# Altium PCB PCB1.PcbDoc (part 4 of 4)
Units mm, origin at the board's own origin, x right, y up, seen from the top; angles counter-clockwise.
Board outline 200 x 70 mm, 6 copper layers (Top Layer, Int1 (GND), Int2 (Sign), Int3 (Sign), Int4 (GND), Bottom Layer), stack 1.597 mm thick; 448 components, 297 nets, 1385 pads, 258 vias.
Unrouted connection lines stored in the file: 535.
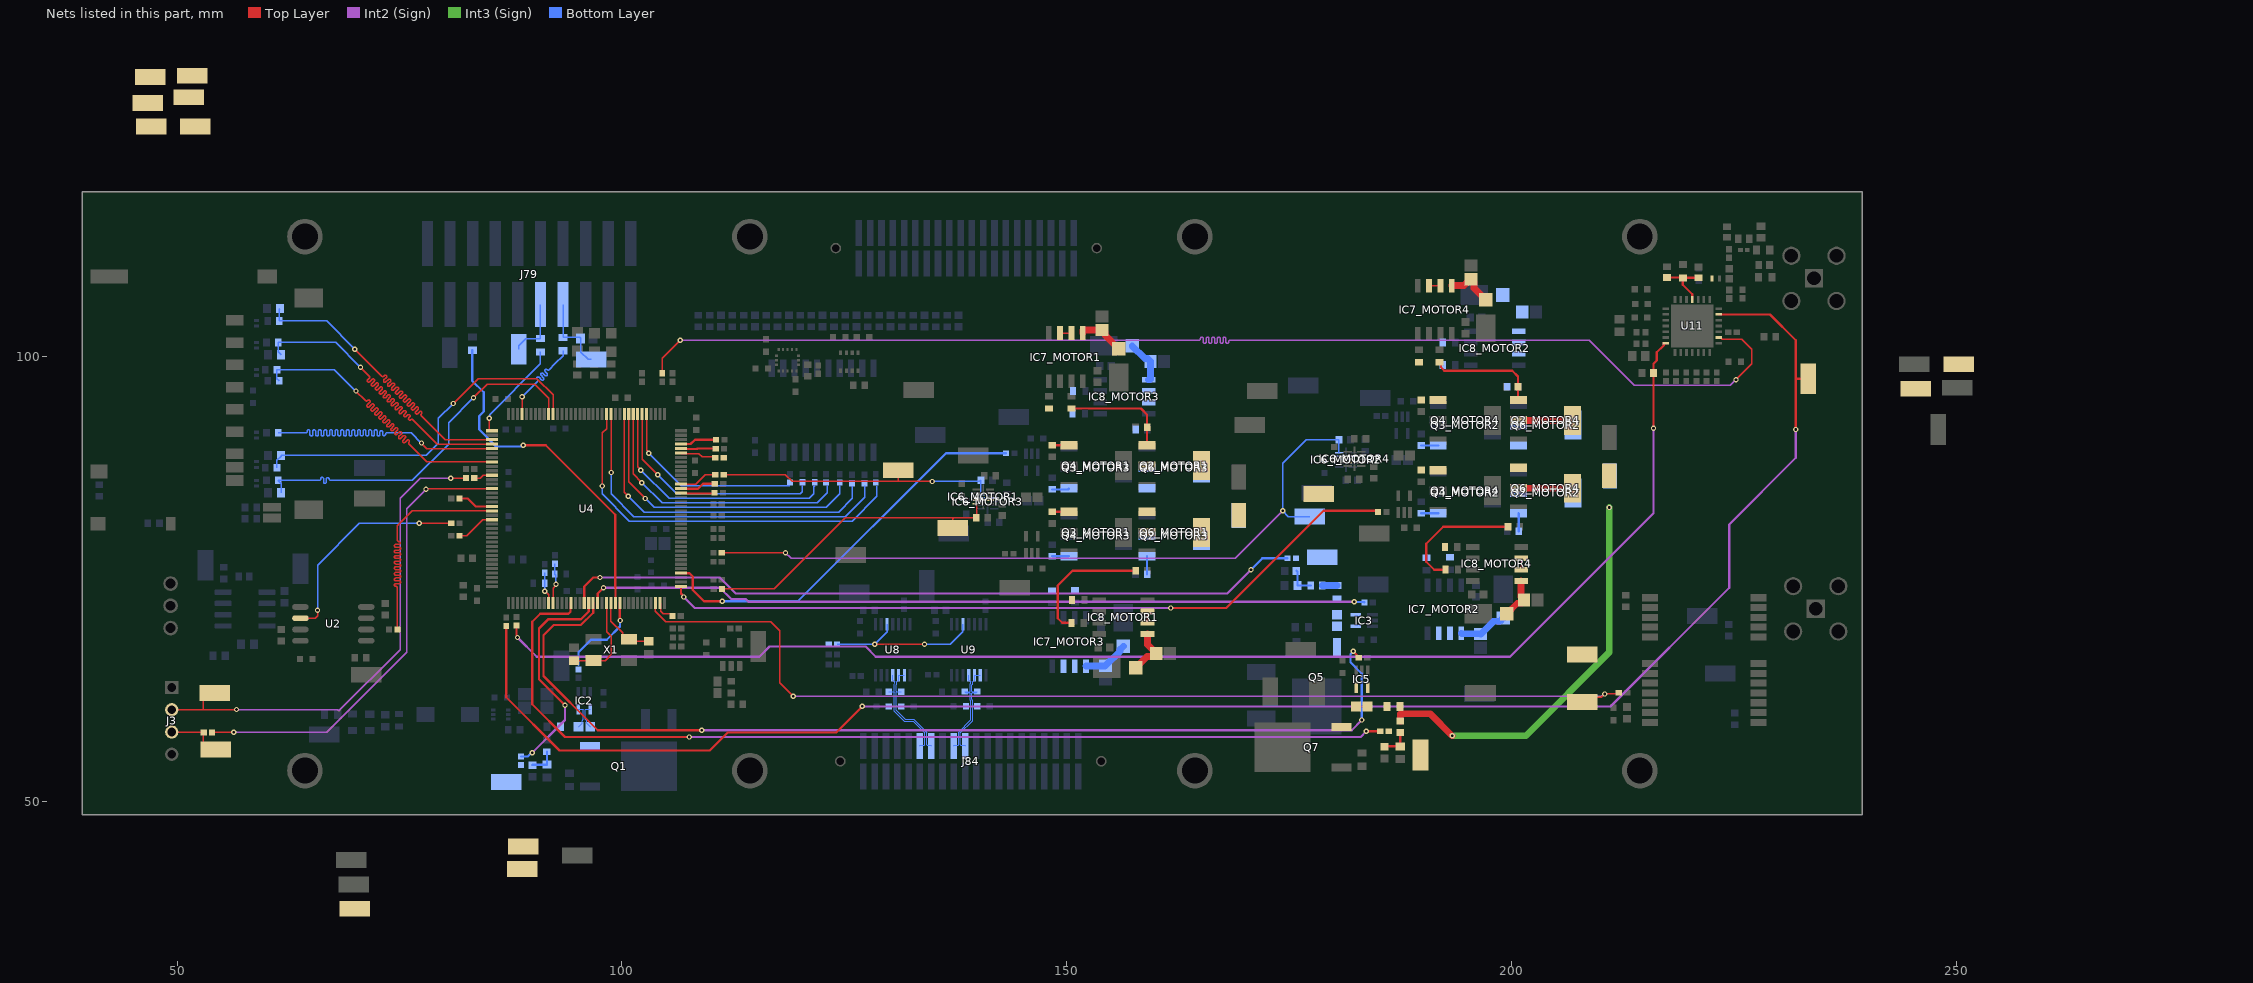
[diagram p8: the nets of this part, all layers, seen from the top]

## Via types
v1: diameter 0.6, hole 0.3, Top Layer to Bottom Layer, 224 vias
v2: diameter 0.4, hole 0.2, Top Layer to Bottom Layer, 18 vias
v3: diameter 0.5, hole 0.2, Top Layer to Bottom Layer, 16 vias

## Nets (pads, with @x,y where several pads share a name; then routed paths per layer and width w, separated by ;. In a path a pad name is that pad's centre, name@x,y a point inside that pad or via, vN(x,y) a via of type N, cw(c..) or ccw(c..) an arc to the next point about the centre after c; other vN are vias at no path point) (continued)
NetR66_1: R66.1 U4.127 | length 31.8
  Top Layer w0.156: R66.1@74.77,69.342 74.77,73.957 74.77,74.035 ccw(c74.613,74.035) 74.613,74.192 74.577,74.192 cw(c74.577,74.35) 74.42,74.35 cw(c74.577,74.35) 74.577,74.507 74.963,74.507 ccw(c74.963,74.664) 75.12,74.664 ccw(c74.963,74.664) 74.963,74.821 74.577,74.821 cw(c74.577,74.978) 74.42,74.978 cw(c74.577,74.978) 74.577,75.136 74.963,75.136 ccw(c74.963,75.293) 75.12,75.293 ccw(c74.963,75.293) 74.963,75.45 74.577,75.45 cw(c74.577,75.607) 74.42,75.607 cw(c74.577,75.607) 74.577,75.764 74.963,75.764 ccw(c74.963,75.921) 75.12,75.921 ccw(c74.963,75.921) 74.963,76.079 74.577,76.079 cw(c74.577,76.236) 74.42,76.236 cw(c74.577,76.236) 74.577,76.393 74.963,76.393 ccw(c74.963,76.55) 75.12,76.55 ccw(c74.963,76.55) 74.963,76.707 74.577,76.707 cw(c74.577,76.864) 74.42,76.864 cw(c74.577,76.864) 74.577,77.022 74.963,77.022 ccw(c74.963,77.179) 75.12,77.179 ccw(c74.963,77.179) 74.963,77.336 74.577,77.336 cw(c74.577,77.493) 74.42,77.493 cw(c74.577,77.493) 74.577,77.65 74.963,77.65 ccw(c74.963,77.808) 75.12,77.808 ccw(c74.963,77.808) 74.963,77.965 74.577,77.965 cw(c74.577,78.122) 74.42,78.122 cw(c74.577,78.122) 74.577,78.279 74.963,78.279 ccw(c74.963,78.436) 75.12,78.436 ccw(c74.963,78.436) 74.963,78.593 74.578,78.593 cw(c74.578,78.751) 74.421,78.751 cw(c74.578,78.751) 74.578,78.908 74.927,78.908 ccw(c74.927,79.065) 75.084,79.065 ccw(c74.927,79.065) 74.927,79.222 cw(c74.927,79.379) 74.77,79.379 74.77,79.675 74.77,80.993 76.458,82.681 U4.127@85.387,82.681
NetR67_1: R67.1 U4.129 | length 4.4
  Top Layer w0.156: R67.1@81.755,79.883 82.55,79.883 84.348,81.681 U4.129@85.387,81.681
NetR68_1: R68.1 U4.126 | length 4
  Top Layer w0.254: R68.1@81.755,84.074 82.677,84.074 83.57,83.181 U4.126@85.387,83.181
NetR69_2: R69.2 U4.60 | length 4.3
  Top Layer w0.156: U4.60@106.637,85.681 108.287,85.681 109.347,86.741 R69.2@110.49,86.741
NetR70_2: R70.2 U4.59 | length 4
  Top Layer w0.254: U4.59@106.637,85.181 106.642,85.176 108.544,85.176 109.093,85.725 R70.2@110.429,85.725
NetR71_1: R71.1 U4.26
NetR72_2: R72.2 U4.58 | length 13.8
  Top Layer w0.254: 99.762,72.306 99.762,70.418 v1(99.822,70.358) ; U4.58@106.637,84.681 106.637,84.622 110.309,84.622 R72.2@110.396,84.709
  Bottom Layer w0.254: 95.123,65.393 95.123,66.802 96.52,68.199 98.298,68.199 99.776,69.677 99.776,70.312 v1(99.822,70.358)
NetR73_1: R73.1 U4.19 | length 25.5
  Top Layer w0.254: v1(93.599,60.833) 90.678,63.754 90.678,69.469 91.694,70.485 95.377,70.485 96.262,71.37 U4.19@96.262,72.306
  Int2 (Sign) w0.254: v1(89.916,55.499) 93.599,59.182 v1(93.599,60.833)
  Bottom Layer w0.254: R73.1@88.646,55.085 89.408,55.085 89.822,55.499 v1(89.916,55.499)
NetR74_1: R74.1 U4.21 | length 88.2
  Top Layer w0.254: U4.21@97.262,72.306 97.262,73.386 v1(97.917,74.041)
  Int2 (Sign) w0.254: v1(97.917,74.041) 110.998,74.041 112.268,72.771 113.919,72.771 114.227,72.463 v1(182.265,72.463)
  Bottom Layer w0.254: v1(182.265,72.463) 182.302,72.427 183.384,72.427 R74.1@183.421,72.39
NetR75_2: R75.2 U4.40 | length 45.6
  Top Layer w0.254: U4.40@106.637,75.681 107.58,75.681 107.95,75.311 107.95,73.787 109.22,72.517 v1(111.252,72.517)
  Bottom Layer w0.254: v1(111.252,72.517) 119.761,72.517 136.398,89.154 R75.2@143.162,89.154
NetR76_1: R76.1 U4.18 | length 83.7
  Top Layer w0.254: U4.18@95.762,72.306 95.762,74.172 96.774,75.184 v1(97.536,75.184)
  Int2 (Sign) w0.254: v1(97.536,75.184) 110.998,75.184 112.776,73.406 168.021,73.406 v1(170.688,76.073)
  Bottom Layer w0.254: v1(170.688,76.073) 171.958,77.343 R76.1@174.785,77.343
NetR77_1: R77.1 U4.20 | length 116.6
  Top Layer w0.254: U4.20@96.762,72.306 96.762,71.235 95.377,69.85 92.329,69.85 91.186,68.707 91.186,64.135 97.282,58.039 v1(108.966,58.039) ; v1(182.151,66.896) 182.563,66.484 182.563,66.365 182.761,66.167 R77.1@182.786,66.167
  Int2 (Sign) w0.254: v1(108.966,58.039) 181.991,58.039 v1(183.134,59.182)
  Bottom Layer w0.254: v1(182.151,66.896) 182.151,66.861 181.864,66.574 181.864,65.659 183.134,64.389 v1(183.134,59.182)
NetR78_1: R78.1 U4.15 | length 112.1
  Top Layer w0.254: U4.15@94.262,72.306 94.214,72.258 94.214,71.354 93.98,71.12 90.805,71.12 89.916,70.231 89.916,60.96 93.599,57.277 v1(107.569,57.277) ; v1(183.642,57.912) R78.1@185.199,57.912
  Int2 (Sign) w0.254: v1(107.569,57.277) 183.007,57.277 v1(183.642,57.912)
NetR79_2: R79.2 U4.67 | length 4.1
  Top Layer w0.156: U4.67@106.637,89.181 106.696,89.122 108.647,89.122 108.996,88.773 110.363,88.773 R79.2@110.49,88.646
NetR80_2: R80.2 U4.68 | length 4
  Top Layer w0.254: U4.68@106.637,89.681 106.637,89.627 108.442,89.627 108.496,89.681 110.504,89.681 R80.2@110.523,89.662
NetR81_2: R81.2 U4.69 | length 4.1
  Top Layer w0.254: U4.69@106.637,90.181 107.707,90.181 108.204,90.678 R81.2@110.556,90.678
NetR82_2: R82.2 U4.37 | length 84.4
  Top Layer w0.254: U4.37@106.637,74.181 106.637,73.382 106.934,73.085 v1(106.934,72.992) ; v1(161.671,71.755) 167.894,71.755 178.816,82.677 184.818,82.677 R82.2@184.945,82.55
  Int2 (Sign) w0.254: v1(106.934,72.992) 108.171,71.755 v1(161.671,71.755)
NetR83_2: R83.2 U4.77 | length 21.9
  Top Layer w0.156: U4.77@102.762,93.556 102.762,89.467 102.997,89.232 v1(102.997,89.154)
  Bottom Layer w0.156: v1(102.997,89.154) 106.656,85.495 118.872,85.495
NetR84_2: R84.2 U4.78 | length 25.5
  Top Layer w0.156: U4.78@102.262,93.556 102.262,88.492 v1(104.013,86.741)
  Bottom Layer w0.156: v1(104.013,86.741) 106.172,84.582 120.015,84.582 120.269,84.836 120.269,85.495
NetR85_2: R85.2 U4.79 | length 28.4
  Top Layer w0.156: U4.79@101.762,93.556 101.762,87.659 102.108,87.313 v1(102.108,87.249)
  Bottom Layer w0.156: v1(102.108,87.249) 105.283,84.074 121.031,84.074 121.539,84.582 121.539,85.368 121.666,85.495
NetR103_2: R103.2 U4.105 | length 11.5
  Top Layer w0.156: U4.105@88.762,93.556 88.768,93.562 88.768,95.499 v1(88.773,95.504)
  Bottom Layer w0.156: v1(88.773,95.504) 90.424,97.155 90.479,97.21 ccw(c90.368,97.321) 90.479,97.433 90.454,97.458 cw(c90.565,97.569) 90.454,97.68 cw(c90.565,97.569) 90.676,97.68 90.949,97.407 ccw(c91.06,97.518) 91.171,97.407 ccw(c91.06,97.518) 91.171,97.63 90.899,97.902 cw(c91.01,98.013) 90.899,98.125 cw(c91.01,98.013) 91.121,98.125 91.357,97.888 ccw(c91.468,98) 91.579,97.888 ccw(c91.468,98) 91.579,98.111 91.368,98.322 cw(c91.48,98.433) 91.368,98.544 cw(c91.48,98.433) 91.591,98.544 ccw(c91.702,98.655) 91.813,98.544 92.456,99.187 93.379,100.11 R103.2@93.379,100.667
NetR104_2: R104.2 U4.109 | length 11.5
  Top Layer w0.156: v1(85.09,93.091) 85.09,91.778 85.187,91.681 U4.109@85.387,91.681
  Bottom Layer w0.156: v1(85.09,93.091) 85.121,93.122 85.121,93.503 90.839,99.221 R104.2@90.839,100.54
NetR105_1: R105.1 U4.25 | length 38.9
  Top Layer w0.254: v1(88.9,90.043) 91.44,90.043 99.253,82.23 99.253,74.356 99.253,74.111 99.262,74.102 U4.25@99.262,72.306
  Bottom Layer w0.254: R105.1@83.185,100.723 83.185,97.282 84.455,96.012 84.455,93.853 83.947,93.345 83.947,91.821 85.852,89.916 v1@88.9,89.916
NetR118_2: R118.2 U4.80 | length 31.1
  Top Layer w0.156: U4.80@101.262,93.556 101.262,86.825 v1(102.235,85.852)
  Bottom Layer w0.156: v1(102.235,85.852) 104.521,83.566 121.92,83.566 123.063,84.709 123.063,85.483
NetR124_2: R124.2 U4.81 | length 34
  Top Layer w0.156: U4.81@100.762,93.556 100.762,85.928 v1(102.616,84.074)
  Bottom Layer w0.156: v1(102.616,84.074) 103.632,83.058 122.936,83.058 124.46,84.582 124.46,85.483
NetR125_2: R125.2 U4.82 | length 37.3
  Top Layer w0.156: U4.82@100.262,93.556 100.262,84.777 v1(100.711,84.328)
  Bottom Layer w0.156: v1(100.711,84.328) 102.489,82.55 124.333,82.55 125.857,84.074 R125.2@125.857,85.471
NetR126_2: R126.2 U4.85 | length 40.7
  Top Layer w0.156: U4.85@98.762,93.556 98.784,93.534 98.784,87.017 v1(98.806,86.995)
  Bottom Layer w0.156: v1(98.806,86.995) 98.806,84.582 101.346,82.042 125.095,82.042 127.254,84.201 R126.2@127.254,85.483
NetR127_2: R127.2 U4.86 | length 43.6
  Top Layer w0.156: v1(97.79,85.471) 97.79,91.44 98.262,91.912 U4.86@98.262,93.556
  Bottom Layer w0.156: v1(97.79,85.471) 97.79,84.582 100.838,81.534 125.857,81.534 128.651,84.328 128.651,85.471
NetR128_2: R128.2 U4.122 | length 52.2
  Top Layer w0.156: R128.2@53.942,57.785 v1(56.388,57.785) ; v1(77.978,85.09) 78.023,85.135 85.341,85.135 U4.122@85.387,85.181
  Int2 (Sign) w0.159: v1(56.388,57.785) 66.802,57.785 75.819,66.802 75.819,82.931 v1(77.978,85.09)
NetR129_2: R129.2 U4.119 | length 2.1
  Top Layer w0.156: R129.2@83.406,86.36 84.074,86.36 84.395,86.681 U4.119@85.387,86.681
NRST_RADIO: J48.1 R32.1 R35.2 U11.7 | length 157.3
  Top Layer w0.254: R35.2@88.138,69.789 88.138,68.674 88.265,68.547 v1(88.265,68.453) ; v1(215.9,91.948) 215.908,91.956 215.908,98.163 R32.1@215.915,98.171 215.915,99.202 216.281,99.568 216.281,100.489 217.049,101.257 217.049,101.482 217.072,101.505 U11.7@217.297,101.505
  Int2 (Sign) w0.254: v1(88.265,68.453) 90.424,66.294 115.443,66.294 116.586,67.437 127.381,67.437 128.524,66.294 199.771,66.294 215.9,82.423 v1(215.9,91.948)
PWM_M1: IC6_MOTOR1.11 J13.1 R56.1 R112_MOTOR1.2 | length 34.7
  Top Layer w0.156: R56.1@111.252,73.914 117.094,73.914 125.095,81.915 137.287,81.915 ; J13.1@137.16,80.772 137.16,81.788 137.287,81.915 ; IC6_MOTOR1.11@139.851,83.49 139.851,81.954 R112_MOTOR1.2@139.812,81.915 137.287,81.915
PWM_M1_CW_MOTOR1: IC6_MOTOR1.10 IC8_MOTOR1.2 IC8_MOTOR1.3 | length 1.3
  Top Layer w0.156: IC8_MOTOR1.2@159.049,70.104 IC8_MOTOR1.3@159.049,71.374
PWM_M1_CW_MOTOR2: IC6_MOTOR2.10 IC8_MOTOR2.2 IC8_MOTOR2.3
PWM_M1_CW_MOTOR3: IC6_MOTOR3.10 IC8_MOTOR3.2 IC8_MOTOR3.3
PWM_M1_CW_MOTOR4: IC6_MOTOR4.10 IC8_MOTOR4.2 IC8_MOTOR4.3 | length 1.3
  Top Layer w0.156: IC8_MOTOR4.2@201.024,76.073 IC8_MOTOR4.3@201.024,77.343
PWM_M1_NCW_MOTOR1: IC6_MOTOR1.2 IC7_MOTOR1.2 IC7_MOTOR1.3 | length 1.3
  Top Layer w0.156: IC7_MOTOR1.3@149.225,102.661 IC7_MOTOR1.2@150.495,102.661
PWM_M1_NCW_MOTOR2: IC6_MOTOR2.2 IC7_MOTOR2.2 IC7_MOTOR2.3
PWM_M1_NCW_MOTOR3: IC6_MOTOR3.2 IC7_MOTOR3.2 IC7_MOTOR3.3
PWM_M1_NCW_MOTOR4: IC6_MOTOR4.2 IC7_MOTOR4.2 IC7_MOTOR4.3 | length 1.3
  Top Layer w0.156: IC7_MOTOR4.3@190.692,107.995 IC7_MOTOR4.2@191.962,107.995
PWM_M2: IC6_MOTOR2.11 J24.1 R61.1 R112_MOTOR2.2 | length 83.1
  Top Layer w0.156: R61.1@111.219,77.978 v1(118.364,77.978)
  Int2 (Sign) w0.159: v1(118.364,77.978) 118.999,77.343 168.91,77.343 v1(174.244,82.677)
  Bottom Layer w0.156: J24.1@177.292,82.042 174.879,82.042 v1(174.244,82.677) 174.244,88.011 176.911,90.678 R112_MOTOR2.2@180.564,90.678 180.564,89.233 180.586,89.211 IC6_MOTOR2.11@180.618,89.211
PWM_M3: IC6_MOTOR3.11 J35.1 R69.1 R112_MOTOR3.2 | length 32.1
  Top Layer w0.156: R69.1@111.44,86.741 118.364,86.741 119.126,85.979 131.064,85.979 ; J35.1@131.064,87.249 131.064,85.979 ; v1(134.874,85.979) 131.064,85.979
  Bottom Layer w0.156: v1(134.874,85.979) 140.208,85.979 R112_MOTOR3.2@140.335,86.106 IC6_MOTOR3.11@140.335,84.512
PWM_M4: J46.1 R79.1
PWM_TR_HL_MOTOR1: Q6_MOTOR1.1 R24_MOTOR1.2 R113_MOTOR1.2 | length 14.8
  Top Layer w0.254: R113_MOTOR1.2@150.495,70.104 149.479,70.104 148.971,70.612 148.971,74.295 150.622,75.946 R24_MOTOR1.2@157.719,75.946
PWM_TR_HL_MOTOR2: Q6_MOTOR2.1 R24_MOTOR2.2 R113_MOTOR2.2
PWM_TR_HL_MOTOR3: Q6_MOTOR3.1 R24_MOTOR3.2 R113_MOTOR3.2
PWM_TR_HL_MOTOR4: Q6_MOTOR4.1 R24_MOTOR4.2 R113_MOTOR4.2 | length 14.5
  Top Layer w0.254: R113_MOTOR4.2@192.532,76.073 191.262,76.073 190.373,76.962 190.373,78.994 192.278,80.899 R24_MOTOR4.2@199.567,80.899
PWM_TR_HR_MOTOR1: Q2_MOTOR1.1 R25_MOTOR1.2 R109_MOTOR1.2 | length 12.2
  Top Layer w0.254: R109_MOTOR1.2@150.495,94.169 158.307,94.169 159.004,93.472 R25_MOTOR1.2@159.004,92.075 159.004,90.059 Q2_MOTOR1.1@159.002,90.057
PWM_TR_HR_MOTOR2: Q2_MOTOR2.1 R25_MOTOR2.2 R109_MOTOR2.2 | length 2
  Bottom Layer w0.254: Q2_MOTOR2.1@200.74,82.401 200.757,82.384 R25_MOTOR2.2@200.757,80.383
PWM_TR_HR_MOTOR3: Q2_MOTOR3.1 R25_MOTOR3.2 R109_MOTOR3.2 | length 2
  Bottom Layer w0.254: Q2_MOTOR3.1@159.002,77.583 159.004,77.581 R25_MOTOR3.2@159.004,75.565
PWM_TR_HR_MOTOR4: Q2_MOTOR4.1 R25_MOTOR4.2 R109_MOTOR4.2 | length 12.4
  Top Layer w0.254: R109_MOTOR4.2@191.835,99.376 192.024,99.187 192.024,98.806 192.405,98.425 200.025,98.425 200.675,97.775 R25_MOTOR4.2@200.675,96.647 200.675,95.185 Q2_MOTOR4.1@200.723,95.137
PWM_TR_LL_MOTOR1: Q3_MOTOR1.1 R27_MOTOR1.2 R110_MOTOR1.2 | length 1.9
  Top Layer w0.254: R27_MOTOR1.2@148.336,82.565 Q3_MOTOR1.1@150.239,82.564 Q3_MOTOR1.1@150.239,82.564
PWM_TR_LL_MOTOR2: Q3_MOTOR2.1 R27_MOTOR2.2 R110_MOTOR2.2 | length 1.9
  Bottom Layer w0.254: R27_MOTOR2.2@189.82,90.02 Q3_MOTOR2.1@191.723,90.021 Q3_MOTOR2.1@191.723,90.021
PWM_TR_LL_MOTOR3: Q3_MOTOR3.1 R27_MOTOR3.2 R110_MOTOR3.2 | length 1.9
  Bottom Layer w0.254: R27_MOTOR3.2@148.336,85.09 150.126,85.09 Q3_MOTOR3.1@150.239,85.203
PWM_TR_LL_MOTOR4: Q3_MOTOR4.1 R27_MOTOR4.2 R110_MOTOR4.2
PWM_TR_LR_MOTOR1: Q4_MOTOR1.1 R29_MOTOR1.2 R114_MOTOR1.2 | length 1.9
  Top Layer w0.254: R29_MOTOR1.2@148.336,90.058 Q4_MOTOR1.1@150.239,90.057 Q4_MOTOR1.1@150.239,90.057
PWM_TR_LR_MOTOR2: Q4_MOTOR2.1 R29_MOTOR2.2 R114_MOTOR2.2 | length 1.9
  Bottom Layer w0.254: R29_MOTOR2.2@189.82,82.4 Q4_MOTOR2.1@191.723,82.401 Q4_MOTOR2.1@191.723,82.401
PWM_TR_LR_MOTOR3: Q4_MOTOR3.1 R29_MOTOR3.2 R114_MOTOR3.2 | length 1.9
  Bottom Layer w0.254: R29_MOTOR3.2@148.336,77.582 Q4_MOTOR3.1@150.239,77.583 Q4_MOTOR3.1@150.239,77.583
PWM_TR_LR_MOTOR4: Q4_MOTOR4.1 R29_MOTOR4.2 R114_MOTOR4.2
RF_MOD: J22.1 R36.2 U11.20 | length 197.7
  Top Layer w0.254: R36.2@86.995,69.756 86.995,61.722 92.964,55.753 109.855,55.753 111.887,57.785 124.078,57.785 v1(127.001,60.707) ; U11.20@223.247,104.755 229.001,104.755 231.902,101.854 231.902,97.536 ; v1(231.902,91.821) 231.902,97.536 ; J22.1@233.299,97.536 231.902,97.536
  Int2 (Sign) w0.254: v1(127.001,60.707) 211.074,60.706 224.409,74.041 224.409,81.153 231.902,88.646 v1(231.902,91.821)
SCK_MEM: J76.1 R4.1 R64.2 U2.6 | length 24.3
  Top Layer w0.156: U2.6@63.864,70.612 65.532,70.612 65.786,70.866 v1(65.786,71.501) ; v1(77.216,81.28) 80.403,81.28
  Bottom Layer w0.156: v1(65.786,71.501) 65.786,76.581 70.485,81.28 v1(77.216,81.28)
SCK_RADIO: J41.1 R55.2 U11.16 | length 139.5
  Top Layer w0.156: R55.2@104.521,98.138 104.521,99.822 v1(106.553,101.854) ; U11.16@223.247,102.155 223.472,102.155 223.544,102.083 223.544,102.073 223.635,101.981 225.806,101.981 226.949,100.838 226.949,99.187 v1(225.171,97.409)
  Int2 (Sign) w0.159: v1(106.553,101.854) 164.76,101.854 164.84,101.854 ccw(c164.84,102.013) 164.999,102.013 164.999,102.045 cw(c165.158,102.045) 165.158,102.204 cw(c165.158,102.045) 165.316,102.045 165.316,101.663 ccw(c165.475,101.663) 165.475,101.504 ccw(c165.475,101.663) 165.633,101.663 165.633,102.045 cw(c165.792,102.045) 165.792,102.204 cw(c165.792,102.045) 165.951,102.045 165.951,101.663 ccw(c166.109,101.663) 166.109,101.504 ccw(c166.109,101.663) 166.268,101.663 166.268,102.045 cw(c166.427,102.045) 166.427,102.204 cw(c166.427,102.045) 166.585,102.045 166.585,101.663 ccw(c166.744,101.663) 166.744,101.504 ccw(c166.744,101.663) 166.902,101.663 166.902,102.045 cw(c167.061,102.045) 167.061,102.204 cw(c167.061,102.045) 167.22,102.045 167.22,101.663 ccw(c167.378,101.663) 167.378,101.504 ccw(c167.378,101.663) 167.537,101.663 167.537,102.045 cw(c167.695,102.045) 167.695,102.204 cw(c167.695,102.045) 167.854,102.045 167.854,101.663 ccw(c168.013,101.663) 168.013,101.504 ccw(c168.013,101.663) 168.171,101.663 168.171,101.695 cw(c168.331,101.695) 168.331,101.854 176.403,101.854 208.661,101.854 213.741,96.774 224.536,96.774 v1(225.171,97.409)
SCL: J72.1 R26.1 R120.1 U4.11 | length 4.6
  Top Layer w0.156: U4.11@92.262,72.306 92.262,73.987 92.583,74.308 v1(92.583,74.422)
  Bottom Layer w0.156: R26.1@92.456,76.741 92.441,76.726 R120.1@92.441,75.565 92.583,75.423 v1(92.583,74.422)
SCLK: R4.2 U8.10 U9.10 | length 18.4
  Top Layer w0.156: v1(128.397,67.691) v1(133.985,67.691)
  Bottom Layer w0.156: R4.2@124.173,67.691 v1(128.397,67.691) 129.779,69.073 U8.10@129.779,69.931 ; v1(133.985,67.691) 136.906,67.691 138.311,69.096 U9.10@138.311,69.943
SDA: J70.1 R28.1 R119.1 U4.10 | length 3.6
  Top Layer w0.156: v1(91.313,73.66) 91.328,73.66 91.762,73.226 U4.10@91.762,72.306
  Bottom Layer w0.156: v1(91.313,73.66) 91.313,74.534 R119.1@91.328,74.549 91.328,75.71 R28.1@91.313,75.725
SDCLK: J28.1 R170.1 U4.113 | length 40.1
  Top Layer w0.156: v1(77.47,90.297) 78.086,89.681 U4.113@85.387,89.681
  Bottom Layer w0.156: R170.1@61.356,91.44 64.389,91.44 64.467,91.44 ccw(c64.467,91.597) 64.624,91.597 64.624,91.633 cw(c64.782,91.633) 64.782,91.79 cw(c64.782,91.633) 64.939,91.633 64.939,91.247 ccw(c65.096,91.247) 65.096,91.09 ccw(c65.096,91.247) 65.253,91.247 65.253,91.633 cw(c65.41,91.633) 65.41,91.79 cw(c65.41,91.633) 65.567,91.633 65.567,91.247 ccw(c65.725,91.247) 65.725,91.09 ccw(c65.725,91.247) 65.882,91.247 65.882,91.633 cw(c66.039,91.633) 66.039,91.79 cw(c66.039,91.633) 66.196,91.633 66.196,91.247 ccw(c66.353,91.247) 66.353,91.09 ccw(c66.353,91.247) 66.51,91.247 66.51,91.633 cw(c66.668,91.633) 66.668,91.79 cw(c66.668,91.633) 66.825,91.633 66.825,91.247 ccw(c66.982,91.247) 66.982,91.09 ccw(c66.982,91.247) 67.139,91.247 67.139,91.633 cw(c67.296,91.633) 67.296,91.79 cw(c67.296,91.633) 67.454,91.633 67.454,91.247 ccw(c67.611,91.247) 67.611,91.09 ccw(c67.611,91.247) 67.768,91.247 67.768,91.633 cw(c67.925,91.633) 67.925,91.79 cw(c67.925,91.633) 68.082,91.633 68.082,91.247 ccw(c68.239,91.247) 68.239,91.09 ccw(c68.239,91.247) 68.397,91.247 68.397,91.633 cw(c68.554,91.633) 68.554,91.79 cw(c68.554,91.633) 68.711,91.633 68.711,91.247 ccw(c68.868,91.247) 68.868,91.09 ccw(c68.868,91.247) 69.025,91.247 69.025,91.633 cw(c69.182,91.633) 69.182,91.79 cw(c69.182,91.633) 69.34,91.633 69.34,91.247 ccw(c69.497,91.247) 69.497,91.09 ccw(c69.497,91.247) 69.654,91.247 69.654,91.633 cw(c69.811,91.633) 69.811,91.79 cw(c69.811,91.633) 69.968,91.633 69.968,91.247 ccw(c70.126,91.247) 70.126,91.09 ccw(c70.126,91.247) 70.283,91.247 70.283,91.633 cw(c70.44,91.633) 70.44,91.79 cw(c70.44,91.633) 70.597,91.633 70.597,91.247 ccw(c70.754,91.247) 70.754,91.09 ccw(c70.754,91.247) 70.911,91.247 70.911,91.633 cw(c71.069,91.633) 71.069,91.79 cw(c71.069,91.633) 71.226,91.633 71.226,91.247 ccw(c71.383,91.247) 71.383,91.09 ccw(c71.383,91.247) 71.54,91.247 71.54,91.633 cw(c71.697,91.633) 71.697,91.79 cw(c71.697,91.633) 71.854,91.633 71.854,91.247 ccw(c72.012,91.247) 72.012,91.09 ccw(c72.012,91.247) 72.169,91.247 72.169,91.633 cw(c72.326,91.633) 72.326,91.79 cw(c72.326,91.633) 72.483,91.633 72.483,91.247 ccw(c72.64,91.247) 72.64,91.09 ccw(c72.64,91.247) 72.798,91.247 72.798,91.513 cw(c72.955,91.513) 72.955,91.67 cw(c72.955,91.513) 73.112,91.513 73.112,91.283 ccw(c73.269,91.283) 73.269,91.126 ccw(c73.269,91.283) 73.426,91.283 cw(c73.583,91.283) 73.583,91.44 75.819,91.44 76.327,91.44 v1(77.47,90.297)
SDCMD: J29.1 R167.1 R169.1 U4.116 | length 41.5
  Top Layer w0.156: v1(70.104,96.139) 71.125,95.118 71.18,95.063 ccw(c71.291,95.174) 71.402,95.063 71.433,95.094 cw(c71.544,94.982) 71.655,95.094 cw(c71.544,94.982) 71.655,94.871 71.383,94.599 ccw(c71.494,94.487) 71.383,94.376 ccw(c71.494,94.487) 71.605,94.376 71.878,94.649 cw(c71.989,94.538) 72.1,94.649 cw(c71.989,94.538) 72.1,94.427 71.827,94.154 ccw(c71.938,94.043) 71.827,93.932 ccw(c71.938,94.043) 72.049,93.932 72.322,94.204 cw(c72.433,94.093) 72.544,94.204 cw(c72.433,94.093) 72.544,93.982 72.272,93.709 ccw(c72.383,93.598) 72.272,93.487 ccw(c72.383,93.598) 72.494,93.487 72.767,93.76 cw(c72.878,93.649) 72.989,93.76 cw(c72.878,93.649) 72.989,93.538 72.716,93.265 ccw(c72.827,93.154) 72.716,93.043 ccw(c72.827,93.154) 72.939,93.043 73.211,93.315 cw(c73.322,93.204) 73.434,93.315 cw(c73.322,93.204) 73.434,93.093 73.161,92.82 ccw(c73.272,92.709) 73.161,92.598 ccw(c73.272,92.709) 73.383,92.598 73.656,92.871 cw(c73.767,92.76) 73.878,92.871 cw(c73.767,92.76) 73.878,92.648 73.605,92.376 ccw(c73.717,92.265) 73.605,92.153 ccw(c73.717,92.265) 73.828,92.153 74.1,92.426 cw(c74.212,92.315) 74.323,92.426 cw(c74.212,92.315) 74.323,92.204 74.05,91.931 ccw(c74.161,91.82) 74.05,91.709 ccw(c74.161,91.82) 74.272,91.709 74.545,91.982 cw(c74.656,91.87) 74.767,91.982 cw(c74.656,91.87) 74.767,91.759 74.495,91.487 ccw(c74.606,91.375) 74.495,91.264 ccw(c74.606,91.375) 74.717,91.264 74.99,91.537 cw(c75.101,91.426) 75.212,91.537 cw(c75.101,91.426) 75.212,91.315 74.939,91.042 ccw(c75.05,90.931) 74.939,90.82 ccw(c75.05,90.931) 75.161,90.82 75.434,91.092 cw(c75.545,90.981) 75.656,91.092 cw(c75.545,90.981) 75.656,90.87 75.397,90.611 ccw(c75.508,90.499) 75.397,90.388 ccw(c75.508,90.499) 75.619,90.388 75.848,90.617 cw(c75.959,90.506) 76.07,90.617 cw(c75.959,90.506) 76.07,90.395 ccw(c76.181,90.284) 76.07,90.173 76.776,89.467 78.062,88.181 U4.116@85.387,88.181
  Bottom Layer w0.156: R167.1@61.483,97.282 61.229,97.536 R169.1@61.229,98.552 67.691,98.552 v1(70.104,96.139)
SDDATA0: J7.1 R165.1 R171.1 U4.98 | length 40.3
  Top Layer w0.156: v1(81.026,94.742) 83.82,97.536 90.424,97.536 92.262,95.698 U4.98@92.262,93.556
  Bottom Layer w0.156: R171.1@61.229,87.503 61.229,88.369 61.685,88.825 R165.1@61.685,88.9 77.978,88.9 79.375,90.297 79.375,93.091 v1(81.026,94.742)
SDDATA1: J8.1 R164.1 R172.1 U4.99 | length 41.7
  Top Layer w0.156: v1(83.312,95.377) 84.836,96.901 90.17,96.901 91.762,95.309 U4.99@91.762,93.556
  Bottom Layer w0.156: R164.1@61.685,84.709 61.685,85.727 61.356,86.056 R172.1@61.356,86.106 65.913,86.106 65.991,86.106 ccw(c65.991,86.263) 66.148,86.263 66.148,86.299 cw(c66.306,86.299) 66.306,86.456 cw(c66.306,86.299) 66.463,86.299 66.463,85.932 ccw(c66.62,85.932) 66.62,85.775 ccw(c66.62,85.932) 66.777,85.932 66.777,86.263 cw(c66.934,86.263) 66.934,86.42 cw(c66.934,86.263) 67.091,86.263 ccw(c67.249,86.263) 67.249,86.106 73.787,86.106 76.454,86.106 80.518,90.17 80.518,92.583 v1(83.312,95.377)
SDDATA2: J20.1 R163.1 R173.1 U4.111 | length 41.4
  Top Layer w0.156: v1(69.977,100.838) 72.954,97.861 73.009,97.806 ccw(c73.121,97.917) 73.232,97.806 73.307,97.88 cw(c73.418,97.769) 73.529,97.88 cw(c73.418,97.769) 73.529,97.658 73.256,97.385 ccw(c73.367,97.274) 73.256,97.163 ccw(c73.367,97.274) 73.478,97.163 73.751,97.436 cw(c73.862,97.325) 73.973,97.436 cw(c73.862,97.325) 73.973,97.214 73.701,96.941 ccw(c73.812,96.83) 73.701,96.719 ccw(c73.812,96.83) 73.923,96.719 74.196,96.991 cw(c74.307,96.88) 74.418,96.991 cw(c74.307,96.88) 74.418,96.769 74.145,96.496 ccw(c74.256,96.385) 74.145,96.274 ccw(c74.256,96.385) 74.368,96.274 74.64,96.547 cw(c74.751,96.436) 74.863,96.547 cw(c74.751,96.436) 74.863,96.325 74.59,96.052 ccw(c74.701,95.941) 74.59,95.83 ccw(c74.701,95.941) 74.812,95.83 75.085,96.102 cw(c75.196,95.991) 75.307,96.102 cw(c75.196,95.991) 75.307,95.88 75.034,95.607 ccw(c75.146,95.496) 75.034,95.385 ccw(c75.146,95.496) 75.257,95.385 75.529,95.658 cw(c75.641,95.547) 75.752,95.658 cw(c75.641,95.547) 75.752,95.435 75.479,95.163 ccw(c75.59,95.052) 75.479,94.94 ccw(c75.59,95.052) 75.701,94.94 75.974,95.213 cw(c76.085,95.102) 76.196,95.213 cw(c76.085,95.102) 76.196,94.991 75.924,94.718 ccw(c76.035,94.607) 75.924,94.496 ccw(c76.035,94.607) 76.146,94.496 76.419,94.769 cw(c76.53,94.657) 76.641,94.769 cw(c76.53,94.657) 76.641,94.546 76.368,94.274 ccw(c76.479,94.162) 76.368,94.051 ccw(c76.479,94.162) 76.59,94.051 76.863,94.324 cw(c76.974,94.213) 77.085,94.324 cw(c76.974,94.213) 77.085,94.102 76.813,93.829 ccw(c76.924,93.718) 76.813,93.607 ccw(c76.924,93.718) 77.035,93.607 77.25,93.822 cw(c77.362,93.711) 77.473,93.822 cw(c77.362,93.711) 77.473,93.6 77.455,93.582 ccw(c77.566,93.471) 77.455,93.36 78.098,92.717 80.134,90.681 U4.111@85.387,90.681
  Bottom Layer w0.156: R163.1@61.558,105.41 61.483,105.335 R173.1@61.483,104.013 66.802,104.013 v1(69.977,100.838)
SDDATA3: J21.1 R166.1 R168.1 U4.112 | length 41.7
  Top Layer w0.156: v1(70.612,98.806) 71.331,98.087 71.386,98.032 71.608,97.81 cw(c71.497,97.699) 71.608,97.588 71.431,97.41 ccw(c71.542,97.299) 71.431,97.188 ccw(c71.542,97.299) 71.653,97.188 71.926,97.46 cw(c72.037,97.349) 72.148,97.46 cw(c72.037,97.349) 72.148,97.238 71.875,96.965 ccw(c71.986,96.854) 71.875,96.743 ccw(c71.986,96.854) 72.097,96.743 72.37,97.016 cw(c72.481,96.905) 72.592,97.016 cw(c72.481,96.905) 72.592,96.793 72.32,96.521 ccw(c72.431,96.41) 72.32,96.299 ccw(c72.431,96.41) 72.542,96.299 72.815,96.571 cw(c72.926,96.46) 73.037,96.571 cw(c72.926,96.46) 73.037,96.349 72.764,96.076 ccw(c72.875,95.965) 72.764,95.854 ccw(c72.875,95.965) 72.987,95.854 73.259,96.127 cw(c73.37,96.016) 73.482,96.127 cw(c73.37,96.016) 73.482,95.904 73.209,95.632 ccw(c73.32,95.521) 73.209,95.409 ccw(c73.32,95.521) 73.431,95.409 73.704,95.682 cw(c73.815,95.571) 73.926,95.682 cw(c73.815,95.571) 73.926,95.46 73.653,95.187 ccw(c73.765,95.076) 73.653,94.965 ccw(c73.765,95.076) 73.876,94.965 74.148,95.238 cw(c74.26,95.126) 74.371,95.238 cw(c74.26,95.126) 74.371,95.015 74.098,94.743 ccw(c74.209,94.631) 74.098,94.52 ccw(c74.209,94.631) 74.32,94.52 74.593,94.793 cw(c74.704,94.682) 74.815,94.793 cw(c74.704,94.682) 74.815,94.571 74.543,94.298 ccw(c74.654,94.187) 74.543,94.076 ccw(c74.654,94.187) 74.765,94.076 75.038,94.348 cw(c75.149,94.237) 75.26,94.348 cw(c75.149,94.237) 75.26,94.126 74.987,93.853 ccw(c75.098,93.742) 74.987,93.631 ccw(c75.098,93.742) 75.209,93.631 75.482,93.904 cw(c75.593,93.793) 75.704,93.904 cw(c75.593,93.793) 75.704,93.682 75.527,93.504 ccw(c75.638,93.393) 75.527,93.282 ccw(c75.638,93.393) 75.749,93.282 75.927,93.459 cw(c76.038,93.348) 76.149,93.459 cw(c76.038,93.348) 76.149,93.237 76.054,93.142 ccw(c76.165,93.031) 76.054,92.92 ccw(c76.165,93.031) 76.276,92.92 cw(c76.387,92.808) 76.498,92.92 78.197,91.221 78.252,91.166 79.237,90.181 U4.112@85.387,90.181
  Bottom Layer w0.156: R166.1@61.685,100.203 61.356,100.532 R168.1@61.356,101.6 67.818,101.6 v1(70.612,98.806)
shunt_M12_N: IC3.5 R90.2 R91.1
shunt_M12_P: IC3.4 Q5.3 R90.1
shunt_M34_N: IC5.5 R92.2 R93.1
shunt_M34_P: IC5.4 Q7.3 R92.1
shunt_SEQ_N: IC2.5 R2.2 R86.1 | length 2.7
  Bottom Layer w0.093: IC2.5@95.108,60.391 95.594,60.391 95.648,60.337 95.648,59.847 95.663,59.832 95.663,59.25 95.527,59.113 95.527,58.824 R2.2@95.123,58.42
shunt_SEQ_P: IC2.4 Q1.3 R2.1 | length 2.7
  Bottom Layer w0.093: IC2.4@96.408,60.391 95.922,60.391 95.868,60.337 95.868,59.938 95.883,59.923 95.883,59.25 96.019,59.113 96.019,58.824 R2.1@96.423,58.42
SWCLK: J64.1 J79.9 R104.1 | length 7
  Bottom Layer w0.156: J64.1@88.392,100.838 88.392,101.228 89.204,102.04 R104.1@90.839,102.04 J79.9@90.839,105.862
SWDIO: J63.1 J79.7 R103.1 R144.1 | length 8.7
  Bottom Layer w0.156: J79.7@93.379,105.862 R103.1@93.379,102.167 95.231,102.167 R144.1@95.346,102.052 95.377,102.02 95.377,100.507 96.189,99.695 J63.1@96.52,99.695
TH1_CON_N: C70.1 C72.1 J84.13 U8.2 U8.3 | length 12.4
  Bottom Layer w0.093: C72.1@131.38,60.706 130.847,60.706 130.793,60.76 ; C70.1@131.383,62.357 130.847,62.357 ; U8.2@131.729,64.181 U8.3@131.079,64.181 131.079,63.656 130.95,63.527 130.918,63.527 130.864,63.473 130.864,63.195 130.793,63.124 130.793,62.411 130.847,62.357 ; J84.13@134.747,56.261 134.693,56.315 134.276,56.315 134.222,56.37 134.222,57.826 132.797,59.252 131.813,59.252 130.793,60.272 130.793,60.76 ; 130.793,60.76 130.793,62.303 130.847,62.357
TH1_CON_P: C70.2 C73.1 J84.11 U8.4 | length 11.6
  Bottom Layer w0.093: C70.2@129.983,62.357 130.519,62.357 ; C73.1@129.986,60.706 130.519,60.706 ; U8.4@130.429,64.181 130.429,63.656 130.558,63.527 130.59,63.527 130.644,63.473 130.644,63.286 130.573,63.215 130.573,62.411 130.519,62.357 ; 130.528,60.715 130.573,60.76 130.573,62.303 130.519,62.357 ; 130.573,60.669 130.573,60.181 131.722,59.032 132.706,59.032 134.002,57.735 134.002,56.37 133.948,56.315 133.531,56.315 J84.11@133.477,56.261
TH2_CON_N: C71.1 C74.1 J84.19 U9.2 U9.3 | length 11.3
  Bottom Layer w0.093: J84.19@138.557,56.261 138.503,56.315 138.086,56.315 138.032,56.37 138.032,57.735 139.389,59.092 139.389,60.664 139.443,60.718 ; C74.1@139.912,60.718 139.443,60.718 ; U9.2@140.261,64.193 U9.3@139.611,64.193 139.611,63.668 139.483,63.54 139.45,63.54 139.396,63.485 139.396,63.207 139.325,63.136 139.325,62.424 139.379,62.369 C71.1@139.915,62.369 139.788,62.242 139.379,62.242 139.325,62.188 139.325,61.493 139.389,61.43 139.389,60.773 139.443,60.718
TH2_CON_P: C71.2 C75.1 J84.17 U9.4 | length 10.7
  Bottom Layer w0.093: J84.17@137.287,56.261 137.341,56.315 137.758,56.315 137.812,56.37 137.812,57.826 139.169,59.183 139.169,60.651 139.112,60.708 139.105,60.708 ; C75.1@138.645,60.718 139.115,60.718 139.169,60.773 139.169,61.339 139.105,61.402 139.105,62.188 139.051,62.242 138.642,62.242 C71.2@138.515,62.369 139.051,62.369 139.105,62.424 139.105,63.227 139.176,63.298 139.176,63.485 139.122,63.54 139.09,63.54 138.961,63.668 U9.4@138.961,64.193
UART_RX: J3.3 J45.1 R128.1 | length 6.4
  Top Layer w0.156: J3.3@49.403,57.825 52.931,57.825 52.971,57.785 52.971,56.692 53.783,55.88 J45.1@54.356,55.88
UART_RX_GPS: J73.1 R19.1 U4.34 | length 119.6
  Top Layer w0.156: U4.34@103.762,72.306 103.762,71.371 104.902,70.231 116.713,70.231 117.729,69.215 117.729,63.373 v1(119.253,61.849) ; J73.1@207.899,61.214 208.41,61.725 210.061,61.725 v1(210.439,62.103) 211.869,62.103 R19.1@211.996,62.23
  Int2 (Sign) w0.159: v1(119.253,61.849) 210.066,61.849 210.32,62.103 v1(210.439,62.103)
UART_TX: J3.2 J54.1 R129.1 | length 56.9
  Top Layer w0.156: J3.2@49.403,60.325 52.971,60.325 ; J54.1@54.229,62.23 53.275,62.23 52.971,61.926 52.971,60.325 ; v1(56.681,60.364) 56.642,60.325 52.971,60.325 ; v1(80.772,86.36) R129.1@82.456,86.36
  Int2 (Sign) w0.159: v1(56.681,60.364) 56.72,60.325 68.072,60.325 68.199,60.198 75.057,67.056 75.057,84.074 77.343,86.36 v1(80.772,86.36)
UART_TX_GPS: J71.1 R8.1 U4.35 | length 2.5
  Top Layer w0.156: U4.35@104.262,72.306 104.359,72.209 104.359,71.409 104.655,71.113 105.417,71.113 R8.1@105.664,70.866
VBAT_FB: C1.2 J26.1 R73.2 R87.1 R89.2 | length 3.1
  Bottom Layer w0.254: C1.2@89.916,54.117 89.954,54.155 R89.2@91.567,54.155 R87.1@91.567,55.611
VBAT_MOTOR1_FB: C10.2 J19.1 R76.2 R94.1 R98.2 | length 3.2
  Bottom Layer w0.254: C10.2@175.783,75.946 175.895,75.834 R98.2@175.895,74.295 R94.1@177.389,74.295
VBAT_MOTOR2_FB: C9.2 J40.1 R78.2 R95.1 R99.2 | length 3.4
  Top Layer w0.254: C9.2@185.674,56.149 185.749,56.224 R99.2@187.452,56.224 R95.1@187.452,57.77
VCC_PWR_MOTOR1: C35_MOTOR1.1 C35_MOTOR2.1 C56_MOTOR1.1 C56_MOTOR2.1 C59_MOTOR1.1 C59_MOTOR2.1 D5_MOTOR1.2 D5_MOTOR2.2 D6_MOTOR1.2 D6_MOTOR2.2 IC7_MOTOR1.1 IC7_MOTOR2.1 IC8_MOTOR1.1 IC8_MOTOR2.1 Q2_MOTOR1.2 Q2_MOTOR1.4 Q2_MOTOR2.2 Q2_MOTOR2.4 Q6_MOTOR1.2 Q6_MOTOR1.4 Q6_MOTOR2.2 Q6_MOTOR2.4 R91.2 R94.2 | length 17.7
  Top Layer w0.762: IC7_MOTOR1.1@151.765,102.661 151.765,102.941 151.821,102.997 C56_MOTOR1.1@153.924,102.997 153.963,102.997 154.271,102.689 154.271,102.431 155.819,100.883 D5_MOTOR1.2@155.829,100.883 ; D6_MOTOR1.2@157.712,65.024 157.712,65.034 159.006,66.328 C59_MOTOR1.1@159.712,66.328 ; IC8_MOTOR1.1@159.049,68.834 159.049,67.646 159.673,67.022 159.712,67.022 160.02,66.714 C59_MOTOR1.1@160.02,66.675
  Bottom Layer w0.762: R94.2@178.689,74.295 178.689,74.289 178.695,74.283 R91.2@180.34,74.283 ; IC7_MOTOR2.1@194.31,68.916 194.351,68.875 196.428,68.875 C56_MOTOR2.1@196.469,68.834 196.508,68.834 197.939,70.265 198.64,70.265 D5_MOTOR2.2@199.009,70.634
VCC_PWR_MOTOR3: C35_MOTOR3.1 C35_MOTOR4.1 C56_MOTOR3.1 C56_MOTOR4.1 C59_MOTOR3.1 C59_MOTOR4.1 D5_MOTOR3.2 D5_MOTOR4.2 D6_MOTOR3.2 D6_MOTOR4.2 IC7_MOTOR3.1 IC7_MOTOR4.1 IC8_MOTOR3.1 IC8_MOTOR4.1 Q2_MOTOR3.2 Q2_MOTOR3.4 Q2_MOTOR4.2 Q2_MOTOR4.4 Q6_MOTOR3.2 Q6_MOTOR3.4 Q6_MOTOR4.2 Q6_MOTOR4.4 R93.2 R95.2 | length 78.3
  Top Layer w0.762: R95.2@187.452,59.07 187.446,59.07 187.44,59.076 187.44,59.891 190.807,59.891 v1(193.294,57.404) ; IC7_MOTOR4.1@193.232,107.995 194.637,107.995 195.352,108.71 C56_MOTOR4.1@195.391,108.71 195.43,108.71 195.738,108.402 195.738,107.698 197.032,106.404 D5_MOTOR4.2@197.042,106.404 ; D6_MOTOR4.2@199.433,71.12 199.433,71.13 200.6,72.297 201.048,72.297 201.356,72.605 C59_MOTOR4.1@201.356,72.644 201.356,72.683 201.024,73.015 IC8_MOTOR4.1@201.024,74.803 ; Q6_MOTOR4.2@200.723,85.217 Q6_MOTOR4.4@206.823,85.217 ; Q2_MOTOR4.2@200.723,92.837 Q2_MOTOR4.4@206.823,92.837
  Int3 (Sign) w0.762: v1(193.294,57.404) 201.549,57.404 210.947,66.802 v1(210.947,83.058)
  Bottom Layer w0.762: IC7_MOTOR3.1@152.146,65.233 152.17,65.257 154.281,65.257 C56_MOTOR3.1@154.305,65.28 154.344,65.28 155.958,66.894 155.958,67.09 156.327,67.459 D5_MOTOR3.2@156.337,67.459 ; D6_MOTOR3.2@157.331,101.219 157.331,101.209 158.752,99.788 159.073,99.788 159.381,99.48 C59_MOTOR3.1@159.381,99.441 159.381,97.465 159.325,97.409 IC8_MOTOR3.1@159.176,97.409
VR_PA: C43.1 C48.1 C49.1 L3.1 U11.25 | length 6.5
  Top Layer w0.254: C43.1@217.424,108.909 219.144,108.909 C49.1@219.202,108.851 ; U11.25@220.272,106.43 220.272,107.007 219.202,108.077 C49.1@219.202,108.851 ; C48.1@220.98,108.874 219.225,108.874 C49.1@219.202,108.851
XTAL_IN: C14.2 U4.23 X1.1 | length 10.5
  Top Layer w0.156: C14.2@94.615,65.823 94.648,65.856 X1.1@96.806,65.856 98.114,65.856 98.806,66.548 98.806,68.58 98.298,69.088 98.298,72.27 U4.23@98.262,72.306
XTAL_OUT: C50.2 U4.24 X1.3 | length 7.3
  Top Layer w0.156: U4.24@98.762,72.306 98.762,70.3 100.063,68.999 100.063,68.778 100.585,68.256 X1.3@100.806,68.256 101.027,68.035 C50.2@102.997,68.035
pads on no net: IC6_MOTOR1.4 IC6_MOTOR1.8 IC6_MOTOR1.12 IC6_MOTOR2.4 IC6_MOTOR2.8 IC6_MOTOR2.12 IC6_MOTOR3.4 IC6_MOTOR3.8 IC6_MOTOR3.12 IC6_MOTOR4.4 IC6_MOTOR4.8 IC6_MOTOR4.12 IC9.1 IC9.3 IC9.5 IC9.6 IC9.9 IC9.15 IC9.16 IC9.17 IC9.18 IC9.19 J1.18 J1.24 J1.30 J1.36 J1.S1 J1.S2 J79.2 J79.3 J79.5 J79.11 J79.13 J79.14 J79.16 J79.17 J79.18 J79.19 J79.20 J84.S1 J84.S2 U1.1 U4.3 U4.4 U4.5 U4.6 U4.7 U4.8 U4.9 U4.13 U4.14 U4.32 U4.36 U4.45 U4.63 U4.64 U4.65 U4.66 U4.70 U4.87 U4.91 U4.92 U4.93 U4.96 U4.97 U4.100 U4.101 U4.102 U4.103 U4.104 U4.110 U4.114 U4.115 U4.117 U4.123 U4.124 U4.125 U4.132 U4.133 U4.134 U4.135 U7.1 U7.3 U8.6 U9.6 U11.1 U11.27 U11.28
copper on no net: | length 0
  Bottom Layer w0.254: 278.384,87.463 278.392,87.455

## Polygon pours and split planes (outlines as drawn)
HOT_R_MOTOR2 on Bottom Layer "HOT_R_MOTOR2_L06_P008" (solid, pour order 8): 191.008,85.344 193.04,85.344 193.04,87.63 201.676,87.63 201.676,86.487 199.009,86.487 199.009,81.661 193.167,81.661 193.167,84.201 191.135,84.201 191.008,84.328
HOT_L_MOTOR2 on Bottom Layer "HOT_L_MOTOR2_L06_P007" (solid, pour order 7): 190.5,92.837 192.532,92.837 192.532,96.774 192.659,96.901 201.168,96.901 201.168,93.98 198.501,93.98 198.501,89.154 192.659,89.154 192.659,91.694 190.627,91.694 190.5,91.821
HOT_L_MOTOR3 on Bottom Layer "HOT_L_MOTOR3_L06_P000" (solid, pour order 0): 149.352,88.011 151.384,88.011 151.384,91.948 151.511,92.075 160.02,92.075 160.02,89.154 157.353,89.154 157.353,84.328 151.511,84.328 151.511,86.868 149.479,86.868 149.352,86.995
no net on Bottom Layer "NONET_L06_P010" (solid, pour order 10): 148.971,80.391 151.003,80.391 151.003,82.677 159.639,82.677 159.639,81.534 156.972,81.534 156.972,76.708 151.13,76.708 151.13,79.248 149.098,79.248 148.971,79.375
no net on Bottom Layer "NONET_L06_P009" (solid, pour order 9): 157.988,88.519 160.655,88.519 160.655,90.932 166.37,90.932 166.37,84.709 172.085,84.709 172.085,78.105 157.988,78.105
VCC_PWR_MOTOR1 on Bottom Layer "VCC_PWR_MOTOR1_L06_P006" (solid, pour order 6): 199.771,92.616 202.06,92.616 202.06,95.029 207.775,95.029 207.775,88.806 213.49,88.806 213.49,82.202 199.771,82.202
HOT_R_MOTOR1 on Top Layer "HOT_R_MOTOR1_L01_P012" (solid, pour order 12): 160.125,84.33 160.125,86.235 157.585,86.235 157.585,90.68 151.638,90.68 151.638,88.521 149.076,88.521 149.076,86.362 151.362,86.362 151.638,86.087 151.638,84.33
HOT_L_MOTOR1 on Top Layer "HOT_L_MOTOR1_L01_P011" (solid, pour order 11): 160.274,77.089 160.274,78.994 157.734,78.994 157.734,83.439 151.511,83.439 151.511,81.28 149.225,81.28 149.225,79.121 151.511,79.121 151.638,78.994 151.638,77.089
VCC_PWR_MOTOR1 on Top Layer "VCC_PWR_MOTOR1_L01_P005" (solid, pour order 5): 157.988,88.519 160.655,88.519 160.655,90.932 166.37,90.932 166.37,84.709 172.085,84.709 172.085,78.105 157.988,78.105
+3V3 on Int3 (Sign) "+3V3_L04_P016" (solid, pour order 16): 32.512,120.65 34.417,122.555 247.015,122.555 247.015,44.958 248.285,43.688 245.745,41.148 29.591,41.148
no net on Int4 (GND) (split plane): 238.86,49.024 39.88,49.024 39.88,118.004 238.86,118.004
no net on Int1 (GND) (split plane): 238.86,49.024 39.88,49.024 39.88,118.004 238.86,118.004

## Silkscreen, mask and mechanical layers (free items; w line width, h text height)
Mechanical 1:
  circle w0.254: c114.37,53.491 r3.112
  circle w0.254: c164.37,53.491 r3.112
  circle w0.254: c164.37,113.491 r3.112
  circle w0.254: c114.37,113.491 r3.112